# Altium PCB PM12_CFD.PcbDoc (part 8 of 12)
Units mm, origin at the board's own origin, x right, y up, seen from the top; angles counter-clockwise.
Board outline 96.25 x 362.25 mm, 6 copper layers (Top Layer, Mid-Layer 1, Mid-Layer 2, Mid-Layer 3, Mid-Layer 4, Bottom Layer); 1413 components, 2881 nets, 4503 pads, 1682 vias.
Unrouted connection lines stored in the file: 4.
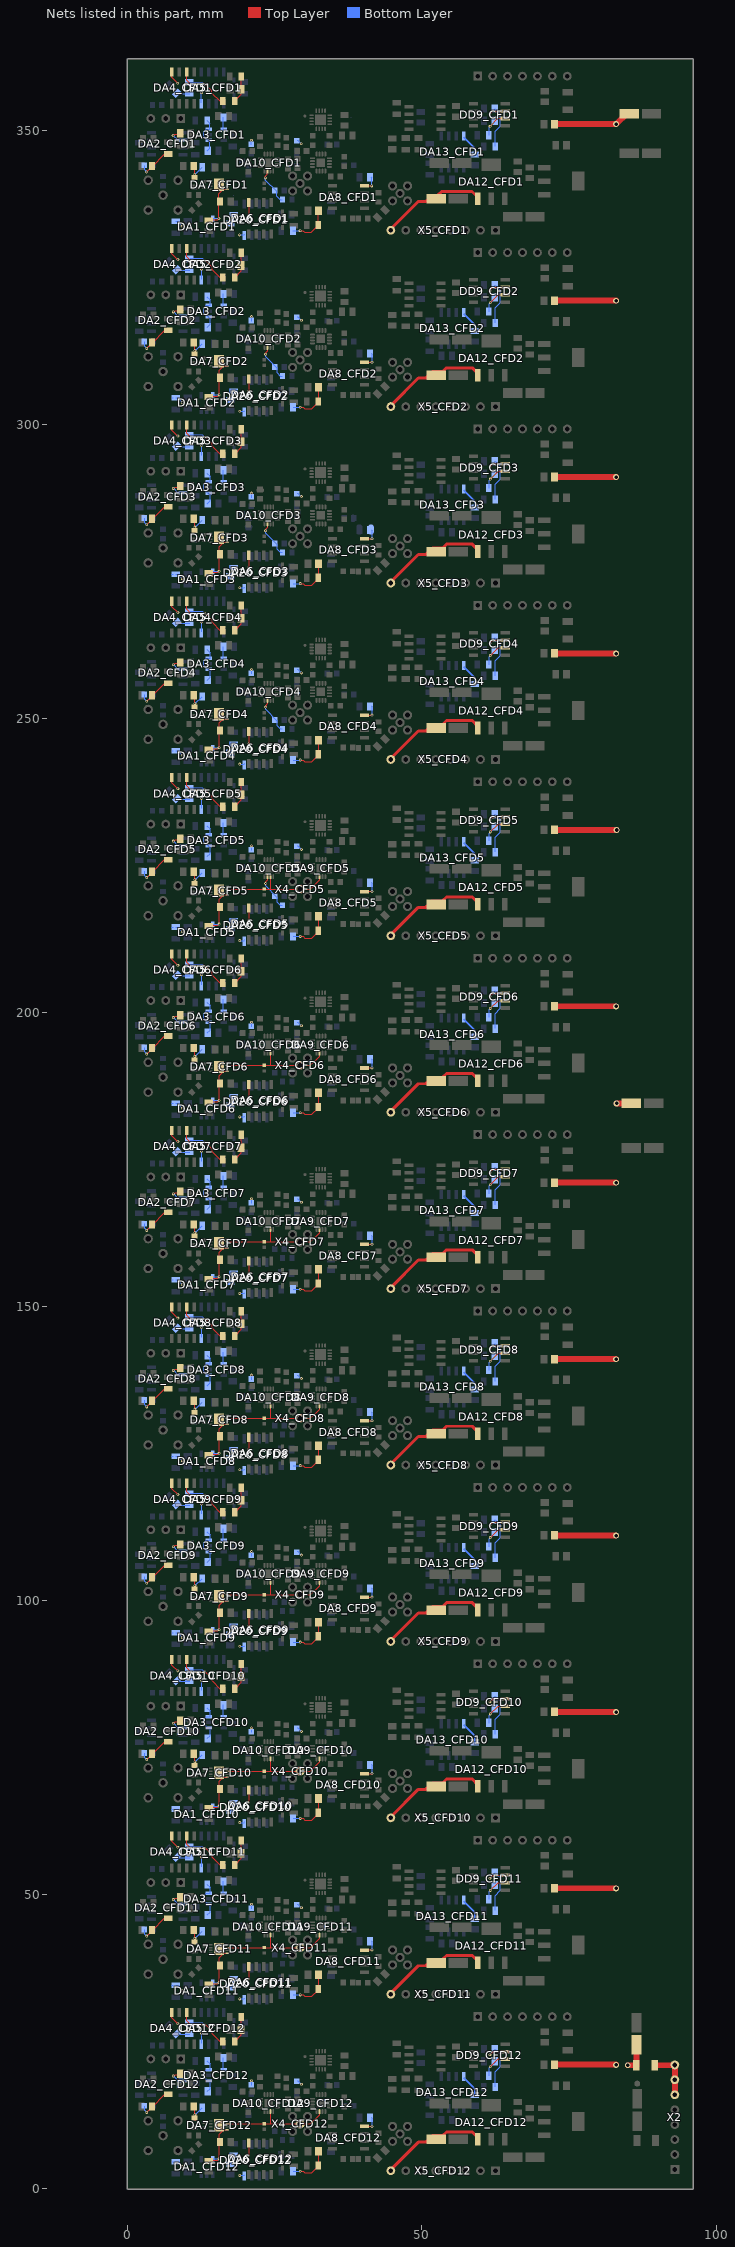
[diagram p12: the nets of this part, all layers, seen from the top]

## Via types
v1: diameter 0.48, hole 0.25, Top Layer to Bottom Layer, 1581 vias
v2: diameter 1, hole 0.6, Top Layer to Bottom Layer, 46 vias
v3: diameter 0.2/0/0/0/0/0.48 (per signal layer), hole 0.25, Top Layer to Bottom Layer, 33 vias
v4: diameter 4, hole 2.2, Top Layer to Bottom Layer, 12 vias
v5: diameter 0.5/0/0/0/0/1 (per signal layer), hole 0.6, Top Layer to Bottom Layer, 10 vias

## Nets (pads, with @x,y where several pads share a name; then routed paths per layer and width w, separated by ;. In a path a pad name is that pad's centre, name@x,y a point inside that pad or via, vN(x,y) a via of type N, cw(c..) or ccw(c..) an arc to the next point about the centre after c; other vN are vias at no path point) (continued)
LMH_OUT_CFD5: DA7_CFD5.7 DA9_CFD5.2 DA10_CFD5.3 R39_CFD5.1 X4_CFD5.1 | length 18.9
  Top Layer w0.12: 24.25,220.95 DA10_CFD5.3@24.25,223 ; X4_CFD5.1@29.3,220.95 31.036,220.95 32.6,222.514 DA9_CFD5.2@32.6,223
  Top Layer w0.15: DA7_CFD5.7@16.9,220.95 23.2,220.95 24.25,220.95 X4_CFD5.1@29.3,220.95
LMH_OUT_CFD6: DA7_CFD6.7 DA9_CFD6.2 DA10_CFD6.3 R39_CFD6.1 X4_CFD6.1 | length 18.9
  Top Layer w0.12: 24.25,190.95 DA10_CFD6.3@24.25,193 ; X4_CFD6.1@29.3,190.95 31.036,190.95 32.6,192.514 DA9_CFD6.2@32.6,193
  Top Layer w0.15: DA7_CFD6.7@16.9,190.95 23.2,190.95 24.25,190.95 X4_CFD6.1@29.3,190.95
LMH_OUT_CFD7: DA7_CFD7.7 DA9_CFD7.2 DA10_CFD7.3 R39_CFD7.1 X4_CFD7.1 | length 18.9
  Top Layer w0.12: 24.25,160.95 DA10_CFD7.3@24.25,163 ; X4_CFD7.1@29.3,160.95 31.036,160.95 32.6,162.514 DA9_CFD7.2@32.6,163
  Top Layer w0.15: DA7_CFD7.7@16.9,160.95 23.2,160.95 24.25,160.95 X4_CFD7.1@29.3,160.95
LMH_OUT_CFD8: DA7_CFD8.7 DA9_CFD8.2 DA10_CFD8.3 R39_CFD8.1 X4_CFD8.1 | length 18.9
  Top Layer w0.12: 24.25,130.95 DA10_CFD8.3@24.25,133 ; X4_CFD8.1@29.3,130.95 31.036,130.95 32.6,132.514 DA9_CFD8.2@32.6,133
  Top Layer w0.15: DA7_CFD8.7@16.9,130.95 23.2,130.95 24.25,130.95 X4_CFD8.1@29.3,130.95
LMH_OUT_CFD9: DA7_CFD9.7 DA9_CFD9.2 DA10_CFD9.3 R39_CFD9.1 X4_CFD9.1 | length 18.9
  Top Layer w0.12: 24.25,100.95 DA10_CFD9.3@24.25,103 ; X4_CFD9.1@29.3,100.95 31.036,100.95 32.6,102.514 DA9_CFD9.2@32.6,103
  Top Layer w0.15: DA7_CFD9.7@16.9,100.95 23.2,100.95 24.25,100.95 X4_CFD9.1@29.3,100.95
LMH_OUT_CFD10: DA7_CFD10.7 DA9_CFD10.2 DA10_CFD10.3 R39_CFD10.1 X4_CFD10.1 | length 18.9
  Top Layer w0.12: 24.25,70.95 DA10_CFD10.3@24.25,73 ; X4_CFD10.1@29.3,70.95 31.036,70.95 32.6,72.514 DA9_CFD10.2@32.6,73
  Top Layer w0.15: DA7_CFD10.7@16.9,70.95 23.2,70.95 24.25,70.95 X4_CFD10.1@29.3,70.95
LMH_OUT_CFD11: DA7_CFD11.7 DA9_CFD11.2 DA10_CFD11.3 R39_CFD11.1 X4_CFD11.1 | length 18.9
  Top Layer w0.12: 24.25,40.95 DA10_CFD11.3@24.25,43 ; X4_CFD11.1@29.3,40.95 31.036,40.95 32.6,42.514 DA9_CFD11.2@32.6,43
  Top Layer w0.15: DA7_CFD11.7@16.9,40.95 23.2,40.95 24.25,40.95 X4_CFD11.1@29.3,40.95
LMH_OUT_CFD12: DA7_CFD12.7 DA9_CFD12.2 DA10_CFD12.3 R39_CFD12.1 X4_CFD12.1 | length 18.9
  Top Layer w0.12: 24.25,10.95 DA10_CFD12.3@24.25,13 ; X4_CFD12.1@29.3,10.95 31.036,10.95 32.6,12.514 DA9_CFD12.2@32.6,13
  Top Layer w0.15: DA7_CFD12.7@16.9,10.95 23.2,10.95 24.25,10.95 X4_CFD12.1@29.3,10.95
N3V0_CFD1: C9_CFD1.2 C11_CFD1.2 DA1_CFD1.5 DA7_CFD1.5 DA7_CFD1.9 | length 9
  Top Layer w0.2: C9_CFD1.2@13.62,334.8 15.27,334.8 v1(15.47,335) 15.47,337.9 15.47,339.2 16.22,339.95 DA7_CFD1.5@16.87,339.95
  Bottom Layer w0.2: DA1_CFD1.5@14.37,334.85 14.52,335 v1(15.47,335)
N3V0_CFD2: C9_CFD2.2 C11_CFD2.2 DA1_CFD2.5 DA7_CFD2.5 DA7_CFD2.9 | length 9
  Top Layer w0.2: C9_CFD2.2@13.65,304.8 15.3,304.8 v1(15.5,305) 15.5,307.9 15.5,309.2 16.25,309.95 DA7_CFD2.5@16.9,309.95
  Bottom Layer w0.2: DA1_CFD2.5@14.4,304.85 14.55,305 v1(15.5,305)
N3V0_CFD3: C9_CFD3.2 C11_CFD3.2 DA1_CFD3.5 DA7_CFD3.5 DA7_CFD3.9 | length 9
  Top Layer w0.2: C9_CFD3.2@13.65,274.8 15.3,274.8 v1(15.5,275) 15.5,277.9 15.5,279.2 16.25,279.95 DA7_CFD3.5@16.9,279.95
  Bottom Layer w0.2: DA1_CFD3.5@14.4,274.85 14.55,275 v1(15.5,275)
N3V0_CFD4: C9_CFD4.2 C11_CFD4.2 DA1_CFD4.5 DA7_CFD4.5 DA7_CFD4.9 | length 9
  Top Layer w0.2: C9_CFD4.2@13.65,244.8 15.3,244.8 v1(15.5,245) 15.5,247.9 15.5,249.2 16.25,249.95 DA7_CFD4.5@16.9,249.95
  Bottom Layer w0.2: DA1_CFD4.5@14.4,244.85 14.55,245 v1(15.5,245)
N3V0_CFD5: C9_CFD5.2 C11_CFD5.2 DA1_CFD5.5 DA7_CFD5.5 DA7_CFD5.9 | length 9
  Top Layer w0.2: C9_CFD5.2@13.65,214.8 15.3,214.8 v1(15.5,215) 15.5,217.9 15.5,219.2 16.25,219.95 DA7_CFD5.5@16.9,219.95
  Bottom Layer w0.2: DA1_CFD5.5@14.4,214.85 14.55,215 v1(15.5,215)
N3V0_CFD6: C9_CFD6.2 C11_CFD6.2 DA1_CFD6.5 DA7_CFD6.5 DA7_CFD6.9 | length 9
  Top Layer w0.2: C9_CFD6.2@13.65,184.8 15.3,184.8 v1(15.5,185) 15.5,187.9 15.5,189.2 16.25,189.95 DA7_CFD6.5@16.9,189.95
  Bottom Layer w0.2: DA1_CFD6.5@14.4,184.85 14.55,185 v1(15.5,185)
N3V0_CFD7: C9_CFD7.2 C11_CFD7.2 DA1_CFD7.5 DA7_CFD7.5 DA7_CFD7.9 | length 9
  Top Layer w0.2: C9_CFD7.2@13.65,154.8 15.3,154.8 v1(15.5,155) 15.5,157.9 15.5,159.2 16.25,159.95 DA7_CFD7.5@16.9,159.95
  Bottom Layer w0.2: DA1_CFD7.5@14.4,154.85 14.55,155 v1(15.5,155)
N3V0_CFD8: C9_CFD8.2 C11_CFD8.2 DA1_CFD8.5 DA7_CFD8.5 DA7_CFD8.9 | length 9
  Top Layer w0.2: C9_CFD8.2@13.65,124.8 15.3,124.8 v1(15.5,125) 15.5,127.9 15.5,129.2 16.25,129.95 DA7_CFD8.5@16.9,129.95
  Bottom Layer w0.2: DA1_CFD8.5@14.4,124.85 14.55,125 v1(15.5,125)
N3V0_CFD9: C9_CFD9.2 C11_CFD9.2 DA1_CFD9.5 DA7_CFD9.5 DA7_CFD9.9 | length 9
  Top Layer w0.2: C9_CFD9.2@13.65,94.8 15.3,94.8 v1(15.5,95) 15.5,97.9 15.5,99.2 16.25,99.95 DA7_CFD9.5@16.9,99.95
  Bottom Layer w0.2: DA1_CFD9.5@14.4,94.85 14.55,95 v1(15.5,95)
N3V0_CFD10: C9_CFD10.2 C11_CFD10.2 DA1_CFD10.5 DA7_CFD10.5 DA7_CFD10.9 | length 9
  Top Layer w0.2: C9_CFD10.2@13.65,64.8 15.3,64.8 v1(15.5,65) 15.5,67.9 15.5,69.2 16.25,69.95 DA7_CFD10.5@16.9,69.95
  Bottom Layer w0.2: DA1_CFD10.5@14.4,64.85 14.55,65 v1(15.5,65)
N3V0_CFD11: C9_CFD11.2 C11_CFD11.2 DA1_CFD11.5 DA7_CFD11.5 DA7_CFD11.9 | length 9
  Top Layer w0.2: C9_CFD11.2@13.65,34.8 15.3,34.8 v1(15.5,35) 15.5,37.9 15.5,39.2 16.25,39.95 DA7_CFD11.5@16.9,39.95
  Bottom Layer w0.2: DA1_CFD11.5@14.4,34.85 14.55,35 v1(15.5,35)
N3V0_CFD12: C9_CFD12.2 C11_CFD12.2 DA1_CFD12.5 DA7_CFD12.5 DA7_CFD12.9 | length 9
  Top Layer w0.2: C9_CFD12.2@13.65,4.8 15.3,4.8 v1(15.5,5) 15.5,7.9 15.5,9.2 16.25,9.95 DA7_CFD12.5@16.9,9.95
  Bottom Layer w0.2: DA1_CFD12.5@14.4,4.85 14.55,5 v1(15.5,5)
N5V0_CFD1: C10_CFD1.2 C38_CFD1.2 C146_CFD1.2 DA2_CFD1.6 DA4_CFD1.4 DA5_CFD1.4 DA6_CFD1.4 DA8_CFD1.4 DA12_CFD1.1 DA20_CFD1.4 L3_CFD1.1 L6_CFD1.1 R1_CFD1.1 X5_CFD1.8 | length 32.2
  Top Layer w0.2: DA4_CFD1.4@7.43,359.7 7.43,358.995 8.425,358 v1(8.47,358) ; v1(7.67,349.1) 7.746,349.1 7.97,349.324 8.4,349.324 8.77,349.694 C10_CFD1.2@8.77,349.7 ; v1(20.47,335.6) 20.47,335.676 20.63,335.836 DA6_CFD1.4@20.63,337.3 ; DA8_CFD1.4@39.97,340.54 40,340.54 v1(41.47,340.54)
  Top Layer w0.5: X5_CFD1.8@44.74,333.25 49.34,337.85 50.62,337.85 C146_CFD1.2@51.17,338.4 ; C146_CFD1.2@52.692,338.95 53.342,339.6 58.52,339.6 59.47,338.65 DA12_CFD1.1@59.47,338.4
  Bottom Layer w0.2: v1(7.67,349.1) 7.715,349.1 8.375,348.44 DA2_CFD1.6@9.17,348.44 ; R1_CFD1.1@8.1,334.5 8.4,334.5 v1(9.2,333.7) ; DA5_CFD1.4@12.5,354.7 v1(12.5,356.37) ; v1(18.97,332.2) 19.76,332.2 DA20_CFD1.4@19.87,332.31 ; L6_CFD1.1@21,347.53 v1(21,348.3) ; L3_CFD1.1@28.77,348.3 28.87,348.3 v1(29.47,347.7) ; C38_CFD1.2@41.3,342.1 41.47,341.93 v1(41.47,340.54)
N5V0_CFD2: C10_CFD2.2 C38_CFD2.2 C146_CFD2.2 DA2_CFD2.6 DA4_CFD2.4 DA5_CFD2.4 DA6_CFD2.4 DA8_CFD2.4 DA12_CFD2.1 DA20_CFD2.4 L3_CFD2.1 L6_CFD2.1 R1_CFD2.1 X5_CFD2.8 | length 34.2
  Top Layer w0.2: DA4_CFD2.4@7.46,329.7 7.46,328.995 8.455,328 v1(8.5,328) ; v1(7.7,319.1) 7.776,319.1 8,319.324 8.43,319.324 8.8,319.694 C10_CFD2.2@8.8,319.7 ; v1(20.5,305.6) 20.5,305.676 20.66,305.836 DA6_CFD2.4@20.66,307.3 ; DA8_CFD2.4@40,310.54 40.03,310.54 v1(41.5,310.54)
  Top Layer w0.5: X5_CFD2.8@44.77,303.25 49.37,307.85 50.65,307.85 51.2,308.4 51.75,308.95 53.519,308.95 54.169,309.6 58.55,309.6 59.5,308.65 DA12_CFD2.1@59.5,308.4
  Bottom Layer w0.2: R1_CFD2.1@7.43,304.5 R1_CFD2.1@7.73,304.5 ; v1(7.7,319.1) 7.745,319.1 8.405,318.44 DA2_CFD2.6@9.2,318.44 ; R1_CFD2.1@8.13,304.5 8.43,304.5 v1(9.23,303.7) ; DA5_CFD2.4@12.53,324.7 v1(12.53,326.37) ; v1(19,302.2) 19.79,302.2 DA20_CFD2.4@19.9,302.31 ; L6_CFD2.1@21.03,317.53 v1(21.03,318.3) ; L3_CFD2.1@28.8,318.3 28.9,318.3 v1(29.5,317.7) ; C38_CFD2.2@41.33,312.1 41.5,311.93 v1(41.5,310.54)
N5V0_CFD3: C10_CFD3.2 C38_CFD3.2 C146_CFD3.2 DA2_CFD3.6 DA4_CFD3.4 DA5_CFD3.4 DA6_CFD3.4 DA8_CFD3.4 DA12_CFD3.1 DA20_CFD3.4 L3_CFD3.1 L6_CFD3.1 pad.1@41.33,282.1 R1_CFD3.1 X5_CFD3.8 | length 34.2
  Top Layer w0.2: DA4_CFD3.4@7.46,299.7 7.46,298.995 8.455,298 v1(8.5,298) ; v1(7.7,289.1) 7.776,289.1 8,289.324 8.43,289.324 8.8,289.694 C10_CFD3.2@8.8,289.7 ; v1(20.5,275.6) 20.5,275.676 20.66,275.836 DA6_CFD3.4@20.66,277.3 ; DA8_CFD3.4@40,280.54 40.03,280.54 v1(41.5,280.54)
  Top Layer w0.5: X5_CFD3.8@44.77,273.25 49.37,277.85 50.65,277.85 51.2,278.4 51.75,278.95 53.519,278.95 54.169,279.6 58.55,279.6 59.5,278.65 DA12_CFD3.1@59.5,278.4
  Bottom Layer w0.2: R1_CFD3.1@7.43,274.5 R1_CFD3.1@7.73,274.5 ; v1(7.7,289.1) 7.745,289.1 8.405,288.44 DA2_CFD3.6@9.2,288.44 ; R1_CFD3.1@8.13,274.5 8.43,274.5 v1(9.23,273.7) ; DA5_CFD3.4@12.53,294.7 v1(12.53,296.37) ; v1(19,272.2) 19.79,272.2 DA20_CFD3.4@19.9,272.31 ; L6_CFD3.1@21.03,287.53 v1(21.03,288.3) ; L3_CFD3.1@28.8,288.3 28.9,288.3 v1(29.5,287.7) ; pad.1@41.33,282.1 41.5,281.93 v1(41.5,280.54)
N5V0_CFD4: C10_CFD4.2 C38_CFD4.2 C146_CFD4.2 DA2_CFD4.6 DA4_CFD4.4 DA5_CFD4.4 DA6_CFD4.4 DA8_CFD4.4 DA12_CFD4.1 DA20_CFD4.4 L3_CFD4.1 L6_CFD4.1 R1_CFD4.1 X5_CFD4.8 | length 34.2
  Top Layer w0.2: DA4_CFD4.4@7.46,269.7 7.46,268.995 8.455,268 v1(8.5,268) ; v1(7.7,259.1) 7.776,259.1 8,259.324 8.43,259.324 8.8,259.694 C10_CFD4.2@8.8,259.7 ; v1(20.5,245.6) 20.5,245.676 20.66,245.836 DA6_CFD4.4@20.66,247.3 ; DA8_CFD4.4@40,250.54 40.03,250.54 v1(41.5,250.54)
  Top Layer w0.5: X5_CFD4.8@44.77,243.25 49.37,247.85 50.65,247.85 51.2,248.4 51.75,248.95 53.519,248.95 54.169,249.6 58.55,249.6 59.5,248.65 DA12_CFD4.1@59.5,248.4
  Bottom Layer w0.2: R1_CFD4.1@7.43,244.5 R1_CFD4.1@7.73,244.5 ; v1(7.7,259.1) 7.745,259.1 8.405,258.44 DA2_CFD4.6@9.2,258.44 ; R1_CFD4.1@8.13,244.5 8.43,244.5 v1(9.23,243.7) ; DA5_CFD4.4@12.53,264.7 v1(12.53,266.37) ; v1(19,242.2) 19.79,242.2 DA20_CFD4.4@19.9,242.31 ; L6_CFD4.1@21.03,257.53 v1(21.03,258.3) ; L3_CFD4.1@28.8,258.3 28.9,258.3 v1(29.5,257.7) ; C38_CFD4.2@41.33,252.1 41.5,251.93 v1(41.5,250.54)
N5V0_CFD5: C10_CFD5.2 C38_CFD5.2 C146_CFD5.2 DA2_CFD5.6 DA4_CFD5.4 DA5_CFD5.4 DA6_CFD5.4 DA8_CFD5.4 DA12_CFD5.1 DA20_CFD5.4 L3_CFD5.1 L6_CFD5.1 R1_CFD5.1 X5_CFD5.8 | length 34.2
  Top Layer w0.2: DA4_CFD5.4@7.46,239.7 7.46,238.995 8.455,238 v1(8.5,238) ; v1(7.7,229.1) 7.776,229.1 8,229.324 8.43,229.324 8.8,229.694 C10_CFD5.2@8.8,229.7 ; v1(20.5,215.6) 20.5,215.676 20.66,215.836 DA6_CFD5.4@20.66,217.3 ; DA8_CFD5.4@40,220.54 40.03,220.54 v1(41.5,220.54)
  Top Layer w0.5: X5_CFD5.8@44.77,213.25 49.37,217.85 50.65,217.85 51.2,218.4 51.75,218.95 53.519,218.95 54.169,219.6 58.55,219.6 59.5,218.65 DA12_CFD5.1@59.5,218.4
  Bottom Layer w0.2: R1_CFD5.1@7.43,214.5 R1_CFD5.1@7.73,214.5 ; v1(7.7,229.1) 7.745,229.1 8.405,228.44 DA2_CFD5.6@9.2,228.44 ; R1_CFD5.1@8.13,214.5 8.43,214.5 v1(9.23,213.7) ; DA5_CFD5.4@12.53,234.7 v1(12.53,236.37) ; v1(19,212.2) 19.79,212.2 DA20_CFD5.4@19.9,212.31 ; L6_CFD5.1@21.03,227.53 v1(21.03,228.3) ; L3_CFD5.1@28.8,228.3 28.9,228.3 v1(29.5,227.7) ; C38_CFD5.2@41.33,222.1 41.5,221.93 v1(41.5,220.54)
N5V0_CFD6: C10_CFD6.2 C38_CFD6.2 C146_CFD6.2 DA2_CFD6.6 DA4_CFD6.4 DA5_CFD6.4 DA6_CFD6.4 DA8_CFD6.4 DA12_CFD6.1 DA20_CFD6.4 L3_CFD6.1 L6_CFD6.1 R1_CFD6.1 X5_CFD6.8 | length 34.2
  Top Layer w0.2: DA4_CFD6.4@7.46,209.7 7.46,208.995 8.455,208 v1(8.5,208) ; v1(7.7,199.1) 7.776,199.1 8,199.324 8.43,199.324 8.8,199.694 C10_CFD6.2@8.8,199.7 ; v1(20.5,185.6) 20.5,185.676 20.66,185.836 DA6_CFD6.4@20.66,187.3 ; DA8_CFD6.4@40,190.54 40.03,190.54 v1(41.5,190.54)
  Top Layer w0.5: X5_CFD6.8@44.77,183.25 49.37,187.85 50.65,187.85 51.2,188.4 51.75,188.95 53.519,188.95 54.169,189.6 58.55,189.6 59.5,188.65 DA12_CFD6.1@59.5,188.4
  Bottom Layer w0.2: R1_CFD6.1@7.43,184.5 R1_CFD6.1@7.73,184.5 ; v1(7.7,199.1) 7.745,199.1 8.405,198.44 DA2_CFD6.6@9.2,198.44 ; R1_CFD6.1@8.13,184.5 8.43,184.5 v1(9.23,183.7) ; DA5_CFD6.4@12.53,204.7 v1(12.53,206.37) ; v1(19,182.2) 19.79,182.2 DA20_CFD6.4@19.9,182.31 ; L6_CFD6.1@21.03,197.53 v1(21.03,198.3) ; L3_CFD6.1@28.8,198.3 28.9,198.3 v1(29.5,197.7) ; C38_CFD6.2@41.33,192.1 41.5,191.93 v1(41.5,190.54)
N5V0_CFD7: C10_CFD7.2 C38_CFD7.2 C146_CFD7.2 DA2_CFD7.6 DA4_CFD7.4 DA5_CFD7.4 DA6_CFD7.4 DA8_CFD7.4 DA12_CFD7.1 DA20_CFD7.4 L3_CFD7.1 L6_CFD7.1 R1_CFD7.1 X5_CFD7.8 | length 34.2
  Top Layer w0.2: DA4_CFD7.4@7.46,179.7 7.46,178.995 8.455,178 v1(8.5,178) ; v1(7.7,169.1) 7.776,169.1 8,169.324 8.43,169.324 8.8,169.694 C10_CFD7.2@8.8,169.7 ; v1(20.5,155.6) 20.5,155.676 20.66,155.836 DA6_CFD7.4@20.66,157.3 ; DA8_CFD7.4@40,160.54 40.03,160.54 v1(41.5,160.54)
  Top Layer w0.5: X5_CFD7.8@44.77,153.25 49.37,157.85 50.65,157.85 51.2,158.4 51.75,158.95 53.519,158.95 54.169,159.6 58.55,159.6 59.5,158.65 DA12_CFD7.1@59.5,158.4
  Bottom Layer w0.2: R1_CFD7.1@7.43,154.5 R1_CFD7.1@7.73,154.5 ; v1(7.7,169.1) 7.745,169.1 8.405,168.44 DA2_CFD7.6@9.2,168.44 ; R1_CFD7.1@8.13,154.5 8.43,154.5 v1(9.23,153.7) ; DA5_CFD7.4@12.53,174.7 v1(12.53,176.37) ; v1(19,152.2) 19.79,152.2 DA20_CFD7.4@19.9,152.31 ; L6_CFD7.1@21.03,167.53 v1(21.03,168.3) ; L3_CFD7.1@28.8,168.3 28.9,168.3 v1(29.5,167.7) ; C38_CFD7.2@41.33,162.1 41.5,161.93 v1(41.5,160.54)
N5V0_CFD8: C10_CFD8.2 C38_CFD8.2 C146_CFD8.2 DA2_CFD8.6 DA4_CFD8.4 DA5_CFD8.4 DA6_CFD8.4 DA8_CFD8.4 DA12_CFD8.1 DA20_CFD8.4 L3_CFD8.1 L6_CFD8.1 R1_CFD8.1 X5_CFD8.8 | length 34.2
  Top Layer w0.2: DA4_CFD8.4@7.46,149.7 7.46,148.995 8.455,148 v1(8.5,148) ; v1(7.7,139.1) 7.776,139.1 8,139.324 8.43,139.324 8.8,139.694 C10_CFD8.2@8.8,139.7 ; v1(20.5,125.6) 20.5,125.676 20.66,125.836 DA6_CFD8.4@20.66,127.3 ; DA8_CFD8.4@40,130.54 40.03,130.54 v1(41.5,130.54)
  Top Layer w0.5: X5_CFD8.8@44.77,123.25 49.37,127.85 50.65,127.85 51.2,128.4 51.75,128.95 53.519,128.95 54.169,129.6 58.55,129.6 59.5,128.65 DA12_CFD8.1@59.5,128.4
  Bottom Layer w0.2: R1_CFD8.1@7.43,124.5 R1_CFD8.1@7.73,124.5 ; v1(7.7,139.1) 7.745,139.1 8.405,138.44 DA2_CFD8.6@9.2,138.44 ; R1_CFD8.1@8.13,124.5 8.43,124.5 v1(9.23,123.7) ; DA5_CFD8.4@12.53,144.7 v1(12.53,146.37) ; v1(19,122.2) 19.79,122.2 DA20_CFD8.4@19.9,122.31 ; L6_CFD8.1@21.03,137.53 v1(21.03,138.3) ; L3_CFD8.1@28.8,138.3 28.9,138.3 v1(29.5,137.7) ; C38_CFD8.2@41.33,132.1 41.5,131.93 v1(41.5,130.54)
N5V0_CFD9: C10_CFD9.2 C38_CFD9.2 C146_CFD9.2 DA2_CFD9.6 DA4_CFD9.4 DA5_CFD9.4 DA6_CFD9.4 DA8_CFD9.4 DA12_CFD9.1 DA20_CFD9.4 L3_CFD9.1 L6_CFD9.1 R1_CFD9.1 X5_CFD9.8 | length 34.2
  Top Layer w0.2: DA4_CFD9.4@7.46,119.7 7.46,118.995 8.455,118 v1(8.5,118) ; v1(7.7,109.1) 7.776,109.1 8,109.324 8.43,109.324 8.8,109.694 C10_CFD9.2@8.8,109.7 ; v1(20.5,95.6) 20.5,95.676 20.66,95.836 DA6_CFD9.4@20.66,97.3 ; DA8_CFD9.4@40,100.54 40.03,100.54 v1(41.5,100.54)
  Top Layer w0.5: X5_CFD9.8@44.77,93.25 49.37,97.85 50.65,97.85 51.2,98.4 51.75,98.95 53.519,98.95 54.169,99.6 58.55,99.6 59.5,98.65 DA12_CFD9.1@59.5,98.4
  Bottom Layer w0.2: R1_CFD9.1@7.43,94.5 R1_CFD9.1@7.73,94.5 ; v1(7.7,109.1) 7.745,109.1 8.405,108.44 DA2_CFD9.6@9.2,108.44 ; R1_CFD9.1@8.13,94.5 8.43,94.5 v1(9.23,93.7) ; DA5_CFD9.4@12.53,114.7 v1(12.53,116.37) ; v1(19,92.2) 19.79,92.2 DA20_CFD9.4@19.9,92.31 ; L6_CFD9.1@21.03,107.53 v1(21.03,108.3) ; L3_CFD9.1@28.8,108.3 28.9,108.3 v1(29.5,107.7) ; C38_CFD9.2@41.33,102.1 41.5,101.93 v1(41.5,100.54)
N5V0_CFD10: C10_CFD10.2 C38_CFD10.2 C146_CFD10.2 DA2_CFD10.6 DA4_CFD10.4 DA5_CFD10.4 DA6_CFD10.4 DA8_CFD10.4 DA12_CFD10.1 DA20_CFD10.4 L3_CFD10.1 L6_CFD10.1 R1_CFD10.1 X5_CFD10.8 | length 34.2
  Top Layer w0.2: DA4_CFD10.4@7.46,89.7 7.46,88.995 8.455,88 v1(8.5,88) ; v1(7.7,79.1) 7.776,79.1 8,79.324 8.43,79.324 8.8,79.694 C10_CFD10.2@8.8,79.7 ; v1(20.5,65.6) 20.5,65.676 20.66,65.836 DA6_CFD10.4@20.66,67.3 ; DA8_CFD10.4@40,70.54 40.03,70.54 v1(41.5,70.54)
  Top Layer w0.5: X5_CFD10.8@44.77,63.25 49.37,67.85 50.65,67.85 51.2,68.4 51.75,68.95 53.519,68.95 54.169,69.6 58.55,69.6 59.5,68.65 DA12_CFD10.1@59.5,68.4
  Bottom Layer w0.2: R1_CFD10.1@7.43,64.5 R1_CFD10.1@7.73,64.5 ; v1(7.7,79.1) 7.745,79.1 8.405,78.44 DA2_CFD10.6@9.2,78.44 ; R1_CFD10.1@8.13,64.5 8.43,64.5 v1(9.23,63.7) ; DA5_CFD10.4@12.53,84.7 v1(12.53,86.37) ; v1(19,62.2) 19.79,62.2 DA20_CFD10.4@19.9,62.31 ; L6_CFD10.1@21.03,77.53 v1(21.03,78.3) ; L3_CFD10.1@28.8,78.3 28.9,78.3 v1(29.5,77.7) ; C38_CFD10.2@41.33,72.1 41.5,71.93 v1(41.5,70.54)
N5V0_CFD11: C10_CFD11.2 C38_CFD11.2 C146_CFD11.2 DA2_CFD11.6 DA4_CFD11.4 DA5_CFD11.4 DA6_CFD11.4 DA8_CFD11.4 DA12_CFD11.1 DA20_CFD11.4 L3_CFD11.1 L6_CFD11.1 R1_CFD11.1 X5_CFD11.8 | length 34.2
  Top Layer w0.2: DA4_CFD11.4@7.46,59.7 7.46,58.995 8.455,58 v1(8.5,58) ; v1(7.7,49.1) 7.776,49.1 8,49.324 8.43,49.324 8.8,49.694 C10_CFD11.2@8.8,49.7 ; v1(20.5,35.6) 20.5,35.676 20.66,35.836 DA6_CFD11.4@20.66,37.3 ; DA8_CFD11.4@40,40.54 40.03,40.54 v1(41.5,40.54)
  Top Layer w0.5: X5_CFD11.8@44.77,33.25 49.37,37.85 50.65,37.85 51.2,38.4 51.75,38.95 53.519,38.95 54.169,39.6 58.55,39.6 59.5,38.65 DA12_CFD11.1@59.5,38.4
  Bottom Layer w0.2: R1_CFD11.1@7.43,34.5 R1_CFD11.1@7.73,34.5 ; v1(7.7,49.1) 7.745,49.1 8.405,48.44 DA2_CFD11.6@9.2,48.44 ; R1_CFD11.1@8.13,34.5 8.43,34.5 v1(9.23,33.7) ; DA5_CFD11.4@12.53,54.7 v1(12.53,56.37) ; v1(19,32.2) 19.79,32.2 DA20_CFD11.4@19.9,32.31 ; L6_CFD11.1@21.03,47.53 v1(21.03,48.3) ; L3_CFD11.1@28.8,48.3 28.9,48.3 v1(29.5,47.7) ; C38_CFD11.2@41.33,42.1 41.5,41.93 v1(41.5,40.54)
N5V0_CFD12: C10_CFD12.2 C38_CFD12.2 C146_CFD12.2 DA2_CFD12.6 DA4_CFD12.4 DA5_CFD12.4 DA6_CFD12.4 DA8_CFD12.4 DA12_CFD12.1 DA20_CFD12.4 L3_CFD12.1 L6_CFD12.1 R1_CFD12.1 X5_CFD12.8 | length 34.2
  Top Layer w0.2: DA4_CFD12.4@7.46,29.7 7.46,28.995 8.455,28 v1(8.5,28) ; v1(7.7,19.1) 7.776,19.1 8,19.324 8.43,19.324 8.8,19.694 C10_CFD12.2@8.8,19.7 ; v1(20.5,5.6) 20.5,5.676 20.66,5.836 DA6_CFD12.4@20.66,7.3 ; DA8_CFD12.4@40,10.54 40.03,10.54 v1(41.5,10.54)
  Top Layer w0.5: X5_CFD12.8@44.77,3.25 49.37,7.85 50.65,7.85 51.2,8.4 51.75,8.95 53.519,8.95 54.169,9.6 58.55,9.6 59.5,8.65 DA12_CFD12.1@59.5,8.4
  Bottom Layer w0.2: R1_CFD12.1@7.43,4.5 R1_CFD12.1@7.73,4.5 ; v1(7.7,19.1) 7.745,19.1 8.405,18.44 DA2_CFD12.6@9.2,18.44 ; R1_CFD12.1@8.13,4.5 8.43,4.5 v1(9.23,3.7) ; DA5_CFD12.4@12.53,24.7 v1(12.53,26.37) ; v1(19,2.2) 19.79,2.2 DA20_CFD12.4@19.9,2.31 ; L6_CFD12.1@21.03,17.53 v1(21.03,18.3) ; L3_CFD12.1@28.8,18.3 28.9,18.3 v1(29.5,17.7) ; C38_CFD12.2@41.33,12.1 41.5,11.93 v1(41.5,10.54)
N5V5: C21.2 C45.2 C46.2 L4.2 L9_CFD1.1 L9_CFD2.1 L9_CFD3.1 L9_CFD4.1 L9_CFD5.1 L9_CFD6.1 L9_CFD7.1 L9_CFD8.1 L9_CFD9.1 L9_CFD10.1 L9_CFD11.1 L9_CFD12.1 pad.1@86.5,24.2 | length 134.5
  Top Layer w1: L9_CFD12.1@72.6,21.03 v2@83,21.03 ; L9_CFD11.1@72.6,51.03 v2@83,51.03 ; L9_CFD10.1@72.6,81.03 v2@83,81.03 ; L9_CFD9.1@72.6,111.03 v2@83,111.03 ; L9_CFD8.1@72.6,141.03 v2@83,141.03 ; L9_CFD7.1@72.6,171.03 v2@83,171.03 ; L9_CFD6.1@72.6,201.03 v2@83,201.03 ; L9_CFD4.1@72.6,261.03 v2@83,261.03 ; L9_CFD1.1@72.6,351.03 v2(83,351.03) 84.9,352.9 C46.2@85,352.9 ; L9_CFD3.1@72.63,291.03 v2@83.03,291.03 ; L9_CFD2.1@72.63,321.03 v2@83.03,321.03 ; L9_CFD5.1@72.7,231.03 v2@83.1,231.03 ; v2(83.1,184.5) C21.2@85.3,184.5 ; v2(85,20.94) 86.5,20.94 86.5,24.129 pad.1@86.5,24.2
  other v2: 83,21 83,51 83,81 83,111 83,141 83,171 83,201 83.1,231 83,261 83,291 83,321
N5V5_PM12: L4.1 X2.6 X2.7 X2.8 | length 8.4
  Top Layer w1: L4.1@89.6,20.94 92.94,20.94 93,20.88 93,18.46 X2.6@93,15.92
NetC1_CFD1_2: C1_CFD1.2 DA3_CFD1.1 DA3_CFD1.3 pad.1@13.92,350.2 R25_CFD1.2 | length 7.1
  Bottom Layer w0.2: R25_CFD1.2@13.4,351.7 13.92,351.18 pad.1@13.92,350.2 13.31,350.2 12.87,349.76 12.87,348.975 13.545,348.3 13.92,348.3 13.92,346.97 C1_CFD1.2@13.45,346.5
NetC1_CFD2_2: C1_CFD2.2 DA3_CFD2.1 DA3_CFD2.3 R25_CFD2.2 | length 7.1
  Bottom Layer w0.2: R25_CFD2.2@13.43,321.7 13.95,321.18 13.95,320.2 13.34,320.2 12.9,319.76 12.9,318.975 13.575,318.3 13.95,318.3 13.95,316.97 C1_CFD2.2@13.48,316.5
NetC1_CFD3_2: C1_CFD3.2 DA3_CFD3.1 DA3_CFD3.3 R25_CFD3.2 | length 7.1
  Bottom Layer w0.2: R25_CFD3.2@13.43,291.7 13.95,291.18 13.95,290.2 13.34,290.2 12.9,289.76 12.9,288.975 13.575,288.3 13.95,288.3 13.95,286.97 C1_CFD3.2@13.48,286.5
NetC1_CFD4_2: C1_CFD4.2 DA3_CFD4.1 DA3_CFD4.3 R25_CFD4.2 | length 7.1
  Bottom Layer w0.2: R25_CFD4.2@13.43,261.7 13.95,261.18 13.95,260.2 13.34,260.2 12.9,259.76 12.9,258.975 13.575,258.3 13.95,258.3 13.95,256.97 C1_CFD4.2@13.48,256.5
NetC1_CFD5_2: C1_CFD5.2 DA3_CFD5.1 DA3_CFD5.3 R25_CFD5.2 | length 7.1
  Bottom Layer w0.2: R25_CFD5.2@13.43,231.7 13.95,231.18 13.95,230.2 13.34,230.2 12.9,229.76 12.9,228.975 13.575,228.3 13.95,228.3 13.95,226.97 C1_CFD5.2@13.48,226.5
NetC1_CFD6_2: C1_CFD6.2 DA3_CFD6.1 DA3_CFD6.3 R25_CFD6.2 | length 7.1
  Bottom Layer w0.2: R25_CFD6.2@13.43,201.7 13.95,201.18 13.95,200.2 13.34,200.2 12.9,199.76 12.9,198.975 13.575,198.3 13.95,198.3 13.95,196.97 C1_CFD6.2@13.48,196.5
NetC1_CFD7_2: C1_CFD7.2 DA3_CFD7.1 DA3_CFD7.3 R25_CFD7.2 | length 7.1
  Bottom Layer w0.2: R25_CFD7.2@13.43,171.7 13.95,171.18 13.95,170.2 13.34,170.2 12.9,169.76 12.9,168.975 13.575,168.3 13.95,168.3 13.95,166.97 C1_CFD7.2@13.48,166.5
NetC1_CFD8_2: C1_CFD8.2 DA3_CFD8.1 DA3_CFD8.3 R25_CFD8.2 | length 7.1
  Bottom Layer w0.2: R25_CFD8.2@13.43,141.7 13.95,141.18 13.95,140.2 13.34,140.2 12.9,139.76 12.9,138.975 13.575,138.3 13.95,138.3 13.95,136.97 C1_CFD8.2@13.48,136.5
NetC1_CFD9_2: C1_CFD9.2 DA3_CFD9.1 DA3_CFD9.3 R25_CFD9.2 | length 7.1
  Bottom Layer w0.2: R25_CFD9.2@13.43,111.7 13.95,111.18 13.95,110.2 13.34,110.2 12.9,109.76 12.9,108.975 13.575,108.3 13.95,108.3 13.95,106.97 C1_CFD9.2@13.48,106.5
NetC1_CFD10_2: C1_CFD10.2 DA3_CFD10.1 DA3_CFD10.3 R25_CFD10.2 | length 7.1
  Bottom Layer w0.2: R25_CFD10.2@13.43,81.7 13.95,81.18 13.95,80.2 13.34,80.2 12.9,79.76 12.9,78.975 13.575,78.3 13.95,78.3 13.95,76.97 C1_CFD10.2@13.48,76.5
NetC1_CFD11_2: C1_CFD11.2 DA3_CFD11.1 DA3_CFD11.3 R25_CFD11.2 | length 7.1
  Bottom Layer w0.2: R25_CFD11.2@13.43,51.7 13.95,51.18 13.95,50.2 13.34,50.2 12.9,49.76 12.9,48.975 13.575,48.3 13.95,48.3 13.95,46.97 C1_CFD11.2@13.48,46.5
NetC1_CFD12_2: C1_CFD12.2 DA3_CFD12.1 DA3_CFD12.3 R25_CFD12.2 | length 7.1
  Bottom Layer w0.2: R25_CFD12.2@13.43,21.7 13.95,21.18 13.95,20.2 13.34,20.2 12.9,19.76 12.9,18.975 13.575,18.3 13.95,18.3 13.95,16.97 C1_CFD12.2@13.48,16.5
NetC2_CFD1_2: C2_CFD1.2 R9_CFD1.1 R10_CFD1.2 | length 6.2
  Top Layer w0.2: v1(3.17,342.9) 4.17,343.9 6.17,345.9 R10_CFD1.2@6.87,345.9
  Bottom Layer w0.2: R9_CFD1.1@2.82,344 2.82,343.25 v1(3.17,342.9)
NetC2_CFD2_2: C2_CFD2.2 R9_CFD2.1 R10_CFD2.2 | length 6.2
  Top Layer w0.2: v1(3.2,312.9) 4.2,313.9 6.2,315.9 R10_CFD2.2@6.9,315.9
  Bottom Layer w0.2: R9_CFD2.1@2.85,314 2.85,313.25 v1(3.2,312.9)
NetC2_CFD3_2: C2_CFD3.2 R9_CFD3.1 R10_CFD3.2 | length 6.2
  Top Layer w0.2: v1(3.2,282.9) 4.2,283.9 6.2,285.9 R10_CFD3.2@6.9,285.9